# Altium PCB 400708.PcbDoc (part 2 of 4) (continued)
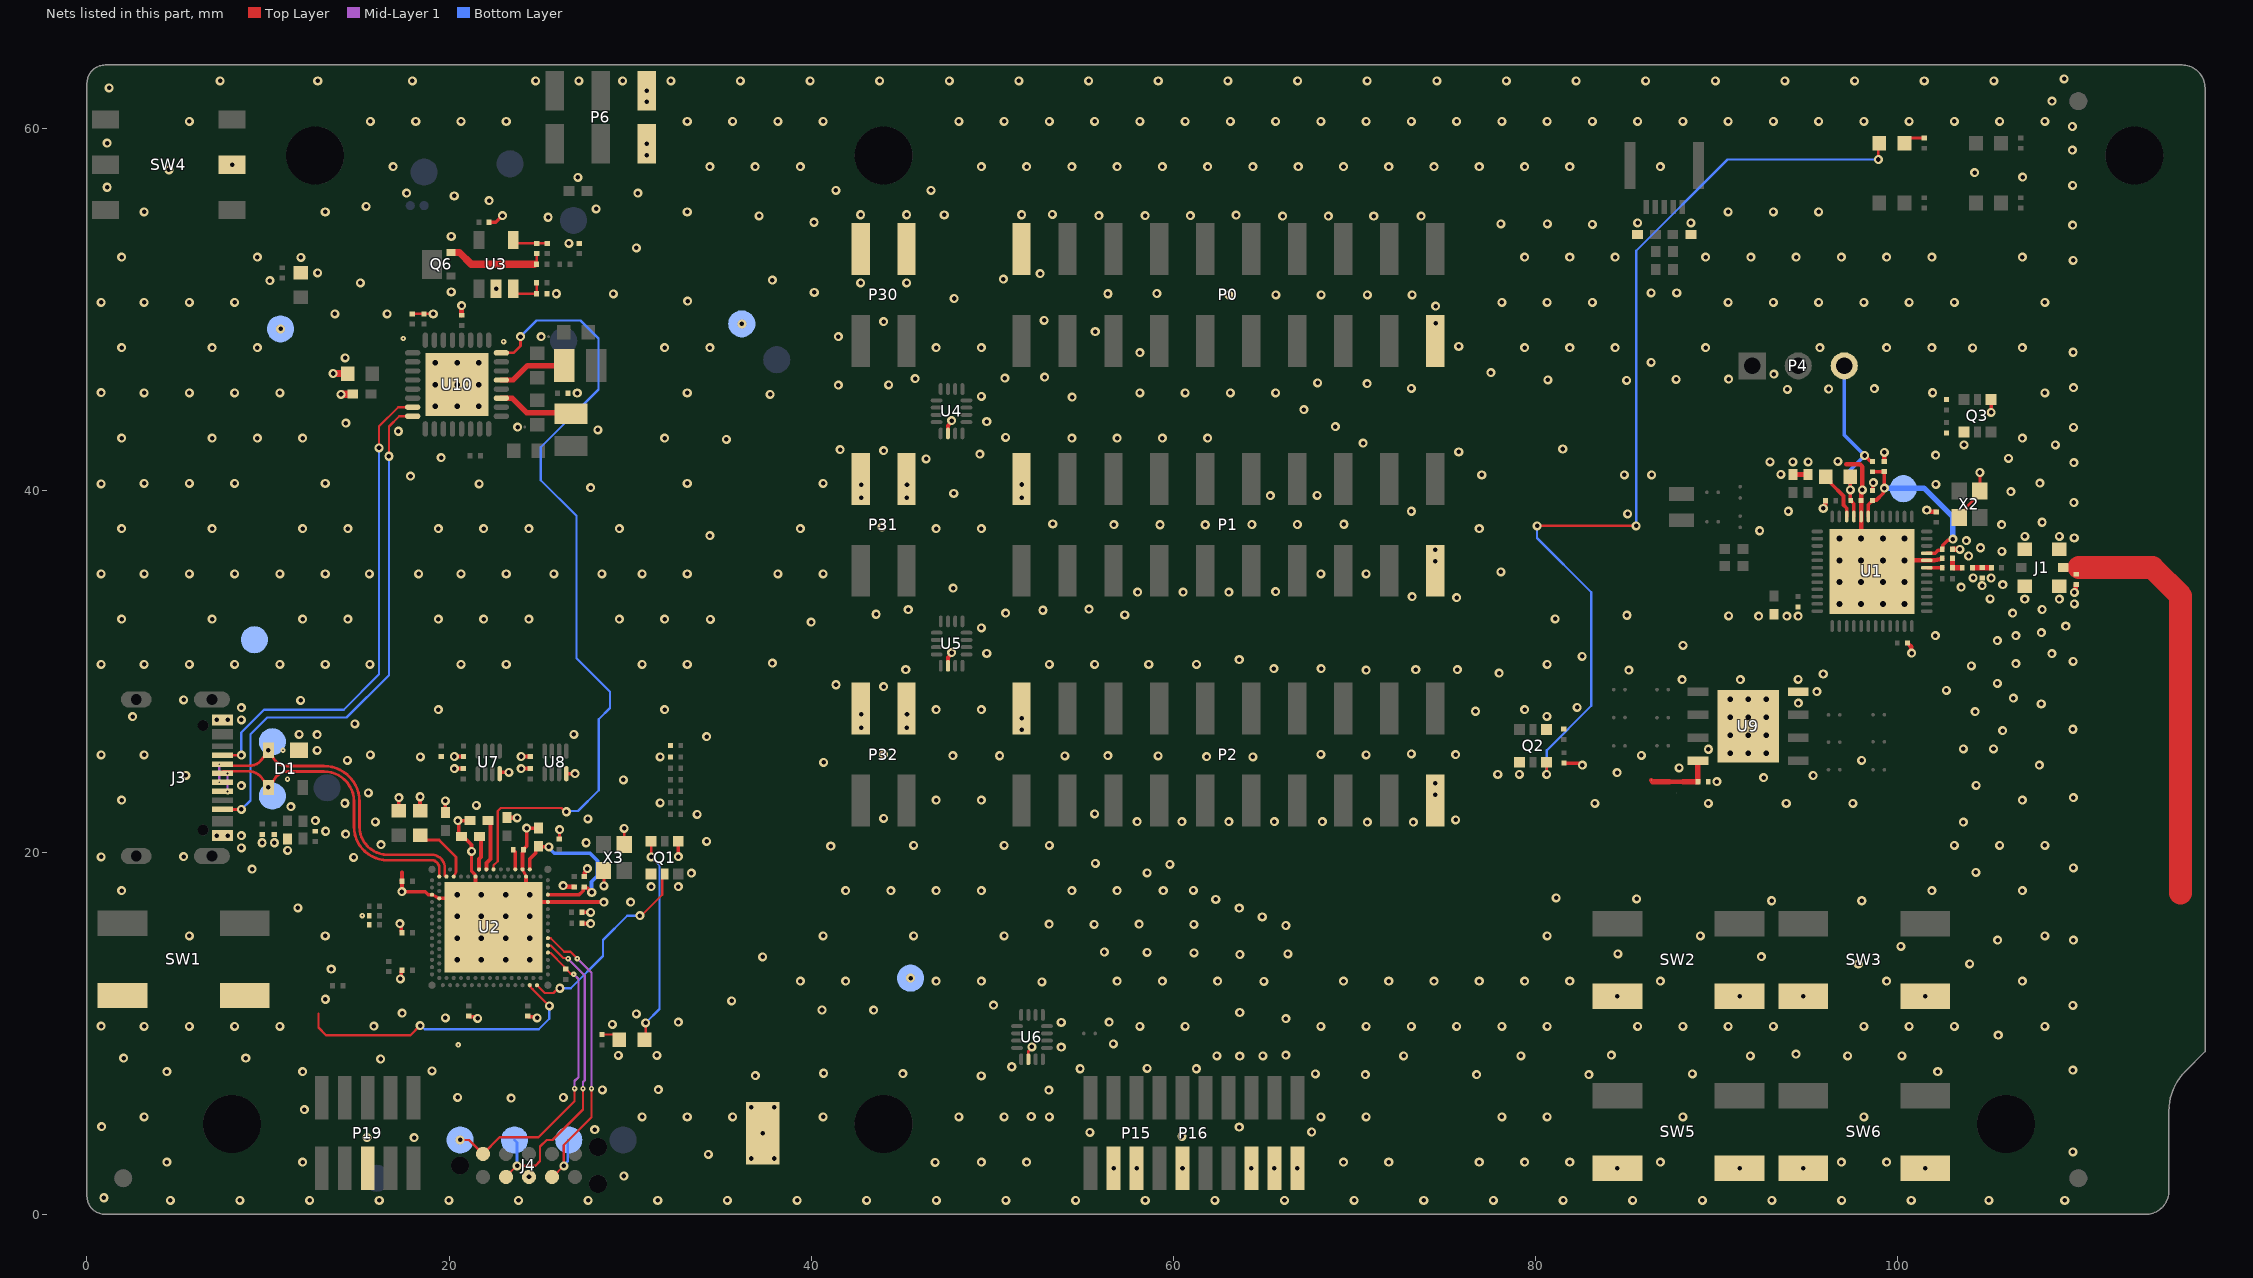
[diagram p4: the nets of this part, all layers, seen from the top]
## Part data (continued)
SB1 SB8 SB10: Manufacturer=N.A., Part number NEMS=100500458, Artikkelnr Noca=N.A., Author=rsk, Component Class=Connectors, Component Status=Active, ComponentLink1Description=Datasheet, ComponentLink1URL=N.A., ComponentLink2Description="Supplier link", ComponentLink2URL=N.A., Footprint Doc=Solderbridge, HelpURL=N.A., LatestRevisionDate=2009-12-14, Manufacturer Part Number=N.A., Note=N.A., Pad Count=2, Part Number=Solderbridge, Part number IPS=N.A., Part number Norautron=N.A., PartId=100500458, Published=2009-12-14, Supplier 1=N.A., Supplier 2=N.A., Supplier Part Number 1=N.A., Supplier Part Number 2=N.A., System=Connector
SB2 SB9: library part "Solderbridge Shorted", "Shorted Solderbridge", Manufacturer=N.A., Part number NEMS=100500459, Artikkelnr Noca=N.A., Author=rsk, Component Class=Connectors, Component Status=Active, ComponentLink1Description=Datasheet, ComponentLink1URL=N.A., ComponentLink2Description="Supplier link", ComponentLink2URL=N.A., Footprint Doc=Solderbridge_Shorted, HelpURL=N.A., LatestRevisionDate=2012-08-07, Manufacturer Part Number=N.A., Note=N.A., Pad Count=2, Part Number="Solderbridge Shorted", Part number IPS=N.A., Part number Norautron=N.A., PartId=100500459, Published=2012-08-07, Supplier 1=N.A., Supplier 2=N.A., Supplier Part Number 1=N.A., Supplier Part Number 2=N.A., System=Connector
SB3 SB4 SB11 SB12 SB13 SB14 SB15 SB16 SB24: library part "Solderbridge Shorted 0.4mm", "Shorted Solderbridge", Manufacturer=N.A., Part number NEMS=100500561, Artikkelnr Noca=N.A., Author=rsk, Component Class=Connectors, Component Status=Active, ComponentLink1Description=Datasheet, ComponentLink1URL=N.A., ComponentLink2Description="Supplier link", ComponentLink2URL=N.A., Footprint Doc=Solderbridge_Shorted, HelpURL=N.A., LatestRevisionDate=2012-08-07, Manufacturer Part Number=N.A., Note=N.A., Pad Count=2, Part Number="Solderbridge Shorted 0.4mm", Part number IPS=N.A., Part number Norautron=N.A., PartId=100500561, Published=2012-08-07, Supplier 1=N.A., Supplier 2=N.A., Supplier Part Number 1=N.A., Supplier Part Number 2=N.A., System=Connector
SB5 SB6 SB17 SB18 SB19 SB20 SB21 SB22: library part "Solderbridge 0.4mm", Manufacturer=N.A., Part number NEMS=100500560, Artikkelnr Noca=N.A., Author=rsk, Component Class=Connectors, Component Status=Active, ComponentLink1Description=Datasheet, ComponentLink1URL=N.A., ComponentLink2Description="Supplier link", ComponentLink2URL=N.A., Footprint Doc=Solderbridge, HelpURL=N.A., LatestRevisionDate=2009-12-14, Manufacturer Part Number=N.A., Note=N.A., Pad Count=2, Part Number="Solderbridge 0.4mm", Part number IPS=N.A., Part number Norautron=N.A., PartId=100500560, Published=2009-12-14, Supplier 1=N.A., Supplier 2=N.A., Supplier Part Number 1=N.A., Supplier Part Number 2=N.A., System=Connector
SW1 SW2 SW3 SW5 SW6: library part Switch-PB-6.2x6.3mm-SMD, "Tactile Switch, SPNO, SMD, 160gf, 6.2x6.3x2.5mm", Manufacturer=Dailywell, Manufacturer Part Number=TS604VM1-025BR-R, Part number IPS=00000007812, Part number NEMS="101500001, 101500133", Part number Norautron=N.A., Artikkelnr Noca=50019106, Author=rsk, Component Class=Switches, Component Status=Active, ComponentLink1Description=Datasheet, ComponentLink1URL=N.A., ComponentLink2Description="Supplier link", ComponentLink2URL=N.A., Footprint Doc=Switch-PB-6.2x6.3mm-SMD, HelpURL=\\hizz\pro\app9717\Datasheet\switches\Dailywell\TS604VM1-025BR-R.pdf, LatestRevisionDate=2016-04-21, Note=N.A., Pad Count=4, Part Number=Switch-PB-6.2x6.3mm-SMD, PartId=101500001, Published=2010-02-01, Supplier 1=Cabcon, Supplier 2=Mouser, Supplier Part Number 1=TS604VM1-025BR-R, Supplier Part Number 2=688-SKHUALE010
SW4: "Slide Switch DPDT", Manufacturer="HUA-JIE CORP.", Part number IPS=N.A., Part number NEMS=101500131, Artikkelnr Noca=N.A., Author=rsk, Component Class=Switches, Component Status=Active, ComponentLink1Description=Datasheet, ComponentLink1URL=N.A., ComponentLink2Description="Supplier link", ComponentLink2URL=N.A., Footprint Doc=MK-22D14-G2, HelpURL=N.A., LatestRevisionDate=2020-10-06, Manufacturer Part Number=MK-22D14-G2, Note=N.A., Pad Count=6, Part Number=MK-22D14-G2, Part number Norautron=N.A., PartId=101500131, Published=2020-12-01, Supplier 1=Cabcon, Supplier 2=N.A., Supplier Part Number 1=MK-22D14-G2, Supplier Part Number 2=N.A.
TP1 TP2 TP3 TP4 TP5 TP6 TP7 TP8 TP9 TP10 TP11 TP12 TP13 TP14 TP15 TP16 TP17 TP18: library part TP_SMD_Ø1.5MM, "1.5mm circular SMD testpad", Manufacturer="Nordic Semiconductor", Manufacturer Part Number=N.A., Part number NEMS=100500477, Artikkelnr Noca=N.A., Author=rsk, Component Class=Connectors, Component Status=Active, ComponentLink1Description=Datasheet, ComponentLink1URL=N.A., ComponentLink2Description="Supplier link", ComponentLink2URL=N.A., Footprint Doc=TP_SMD_Ø1.5mm, HelpURL=N.A., LatestRevisionDate=2021-03-05, Note=N.A., Pad Count=1, Part Number=TP_SMD_Ø1.5MM, Part number IPS=N.A., Part number Norautron=N.A., PartId=100500477, Published=2016-06-02, Supplier 1=N.A., Supplier 2=N.A., Supplier Part Number 1=N.A., Supplier Part Number 2=N.A.
TP22: library part "TP - S1751-46R", "PC TEST POINT TIN SMD L", Manufacturer=Harwin, Manufacturer Part Number=S1751-46R, Part number IPS=N.A., Part number NEMS=100500525, Supplier Part Number 1=952-1478-1-ND, Artikkelnr Noca=N.A., Author=rsk, Component Class=Connectors, Component Status=Active, ComponentLink1Description=Datasheet, ComponentLink1URL=N.A., ComponentLink2Description="Supplier link", ComponentLink2URL=N.A., Footprint Doc="Harwin S1751-46R", HelpURL=http://cdn.harwin.com/pdfs/S1751.pdf, LatestRevisionDate=2015-05-29, Note=N.A., Pad Count=1, Part Number="TP - S1751-46R", Part number Norautron=N.A., PartId=100500525, Published=2015-05-29, Supplier 1=Digi-Key, Supplier 2=N.A., Supplier Part Number 2=N.A.
U1: "Multi-protocol Bluetooth Low Energy, IEEE 802.15.4, ANT and 2.4GHz proprietary system-on-chip", Manufacturer="Nordic Semiconductor", Part number IPS=N.A., Artikkelnr Noca=N.A., Author=stl1, Component Class=Nordic_Devices, Component Status=Active, ComponentLink1Description=Datasheet, ComponentLink1URL=N.A., ComponentLink2Description="Supplier link", ComponentLink2URL=N.A., Footprint Doc=QFN-48, HelpURL=N.A., LatestRevisionDate=2024-06-19, Manufacturer Part Number=nRF54L15-QFAABB0, Note=N.A., Pad Count=49, Part Number=nRF54L15-QFAABB0, Part number Norautron=N.A., PartId=102000348, Published=2024-06-19, Supplier 1="Nordic Semiconductor", Supplier 2=N.A., Supplier Part Number 1=nRF54L15-QFAABB0, Supplier Part Number 2=N.A.
U2: library part nRF5340-QKAAD0, "Multi-protocol Bluetooth Low Energy, IEEE 802.15.4, ANT and 2.4GHz proprietary system-on-chip", Manufacturer="Nordic Semiconductor", Part number IPS=N.A., Part number NEMS=102000216, Part number Norautron=NOD26470035, Artikkelnr Noca=N.A., Author=rsk, Component Class=Nordic_Devices, Component Status=Active, ComponentLink1Description=Datasheet, ComponentLink1URL=N.A., ComponentLink2Description="Supplier link", ComponentLink2URL=N.A., Footprint Doc=AQFN-98, HelpURL=N.A., LatestRevisionDate=2020-12-02, Manufacturer Part Number=nRF5340-QKAAD0, Note=N.A., Pad Count=98, Part Number=nRF5340-QKAAD0, PartId=102000216, Published=2020-12-02, Supplier 1="Nordic Semiconductor", Supplier 2=N.A., Supplier Part Number 1=nRF5340-QKAAD0, Supplier Part Number 2=N.A.
U3: library part TLV271CW5-7, "Dual rail to rail CMOS Amplifier", Manufacturer="Diodes Incorporated", Part number IPS=N.A., Part number NEMS=101900398, Supplier Part Number 1=TLV271CW5-7DICT-ND, Artikkelnr Noca=N.A., Author=rsk, Component Class=Misc_ICs, Component Status=Active, ComponentLink1Description=Datasheet, ComponentLink1URL=N.A., ComponentLink2Description="Supplier link", ComponentLink2URL=N.A., Footprint Doc=SOT-25, HelpURL=http://www.diodes.com/_files/datasheets/TLV27x.pdf, LatestRevisionDate=2016-04-05, Manufacturer Part Number=TLV271CW5-7, Note=N.A., Pad Count=5, Part Number=TLV271CW5-7, Part number Norautron=N.A., PartId=101900398, Published=2016-04-05, Supplier 1=Digi-Key, Supplier 2=N.A., Supplier Part Number 2=N.A.
U4 U5 U6: "Data / Audio Low-Voltage Dual DPDT Analog Switch", Manufacturer="ON Semiconductor", Part number IPS=00000009986, Part number NEMS=101900422, Part number Norautron=26500608, Supplier Part Number 1=FSA2466UMXCT-ND, Artikkelnr Noca=15070069, Author=rsk, Component Class=Misc_ICs, Component Status=Active, ComponentLink1Description=Datasheet, ComponentLink1URL=N.A., ComponentLink2Description="Supplier link", ComponentLink2URL=N.A., Footprint Doc=UFQFN-16, HelpURL=https://www.onsemi.com/pub/Collateral/FSA2466-D.PDF, LatestRevisionDate=2019-05-15, Manufacturer Part Number=FSA2466UMX, Note=N.A., Pad Count=16, Part Number=FSA2466UMX, PartId=101900422, Published=2016-05-18, Supplier 1=Digi-Key, Supplier 2=Mouser, Supplier Part Number 2=512-FSA2466UMX
U7 U8: library part TXB0302DQMR, "2-bit bidirectional voltage-level translator with automatic direction sensing", Manufacturer="Texas Instruments", Part number IPS=N.A., Part number NEMS=101900198, Supplier Part Number 1=296-36871-1-ND, Artikkelnr Noca=N.A., Author=rsk, Component Class=Misc_ICs, Component Status=Active, ComponentLink1Description=Datasheet, ComponentLink1URL=N.A., ComponentLink2Description="Supplier link", ComponentLink2URL=N.A., Footprint Doc=XFDFN-8, HelpURL=http://www.ti.com/lit/ds/symlink/txb0302.pdf, LatestRevisionDate=2014-01-22, Manufacturer Part Number=TXB0302DQMR, Note="Fully Symmetric Supply Voltages", Pad Count=8, Part Number=TXB0302DQMR, Part number Norautron=N.A., PartId=101900198, Published=2014-01-22, Supplier 1=Digi-Key, Supplier 2=Mouser, Supplier Part Number 2=595-TXB0302DQMR
U9: library part MX25R6435FZNIL0, "Ultra low power, 64M-bit, serial multi I/O flash memory", Manufacturer=Macronix, Part number IPS=00000004370, Part number NEMS=101900438, Part number Norautron=N.A., Artikkelnr Noca=15020015, Author=rsk, Component Class=Misc_ICs, Component Status=Active, ComponentLink1Description=Datasheet, ComponentLink1URL=N.A., ComponentLink2Description="Supplier link", ComponentLink2URL=N.A., Footprint Doc=WSON-8, HelpURL=https://www.macronix.com/Lists/Datasheet/Attachments/7913/MX25R6435F,%20Wide%20Range,%2064Mb,%20v1.5.pdf, LatestRevisionDate=2021-02-26, Manufacturer Part Number=MX25R6435FZNIL0, Note=N.A., Pad Count=8, Part Number=MX25R6435FZNIL0, PartId=101900438, Published=2016-06-29, Supplier 1=Future, Supplier 2=Arrow, Supplier Part Number 1=MX25R6435FZNIL0, Supplier Part Number 2=MX25R6435FZNIL0
U10: "Li-Ion/Li-Polymer USB-C battery charger with high efficiency buck regulators, LDOs or load switches, LED drivers, TWI and VBUSOUT", Manufacturer="Nordic Semiconductor", Part number IPS=N.A., Part number NEMS=102000306, Artikkelnr Noca=N.A., Author=eisk, Component Class=Nordic_Devices, Component Status=Active, ComponentLink1Description=Datasheet, ComponentLink1URL=N.A., ComponentLink2Description="Supplier link", ComponentLink2URL=N.A., Footprint Doc=QFN-32, HelpURL=N.A., LatestRevisionDate=2023-08-16, Manufacturer Part Number=nPM1300-QEAAC0, Note="Production version", Pad Count=33, Part Number=nPM1300-QEAAC0, Part number Norautron=N.A., PartId=102000306, Published=2023-08-16, Supplier 1="Nordic Semiconductor", Supplier 2=N.A., Supplier Part Number 1=nPM1300-QEAAC0, Supplier Part Number 2=N.A.
X1: library part XTAL_SMD2012_32.768kHz_9pF_TXC, "XTAL SMD 2012, 32.768kHz, 9pF, ±20ppm", Manufacturer="TXC Corporation", Manufacturer Part Number=9HT11-32.768KDZC-T, Part number IPS=N.A., Part number NEMS=101600107, Supplier Part Number 1=887-1426-2-ND, Artikkelnr Noca=N.A., Author=eisk, Component Class=Oscillators, Component Status=Active, ComponentLink1Description=Datasheet, ComponentLink1URL=http://www.txccrystal.com/images/pdf/9ht11.pdf, ComponentLink2Description="Supplier link", ComponentLink2URL=https://www.digikey.com/en/products/detail/9HT11-32.768KDZC-T/887-1426-1-ND/2403277, Footprint Doc=XTAL_2012, HelpURL=http://www.txccrystal.com/images/pdf/9ht11.pdf, LatestRevisionDate=2023-03-14, Note="XTAL SMD 32.768kHz", Pad Count=2, Part Number=XTAL_SMD2012_32.768kHz_9pF_TXC, Part number Norautron=N.A., PartId=101600107, Published=2014-03-28, Supplier 1=Digi-Key, Supplier 2=Mouser, Supplier Part Number 2=717-9HT11-32.7KDZC-T
X2 X3: library part XTAL_SMD2016_32MHz_8pF_Golledge, "XTAL SMD 2016, 32MHz, Cl=8pF, Tol: ±10ppm, Stab: ±15ppm", Manufacturer=Golledge, Manufacturer Part Number=MP06003, Part number IPS=00000001431, Part number NEMS=101600041, Part number Norautron=N.A., Artikkelnr Noca=22010050, Author=rsk, Component Class=Oscillators, Component Status=Active, ComponentLink1Description=Datasheet, ComponentLink1URL=N.A., ComponentLink2Description="Supplier link", ComponentLink2URL=N.A., Footprint Doc=XTAL_2016, HelpURL=\\hizz\pro\app9717\Datasheet\crystals\Golledge\mp06003.pdf, LatestRevisionDate=2016-11-02, Note="XTAL SMD 32.000MHz", Pad Count=4, Part Number=XTAL_SMD2016_32MHz_8pF_Golledge, PartId=101600041, Published=2016-11-02, Supplier 1="Link Nordic", Supplier 2=N.A., Supplier Part Number 1=N.A., Supplier Part Number 2=N.A.

## Free pads (board coordinates)
  round 3.2 hole 3.2 unplated: 1(8.004,5) 1(12.604,58.5) 1(44.004,5) 1(44.004,58.5) 1(106.004,5) 1(113.104,58.5)

## Via types
v1: diameter 0.5, hole 0.25, Top Layer to Bottom Layer, tented both sides, 1132 vias
v2: diameter 0.3, hole 0.1, Top Layer to Mid-Layer 1, tented top, 61 vias
v3: diameter 0.61, hole 0.305, Top Layer to Bottom Layer, tented both sides, 37 vias
v4: diameter 0.66, hole 0.33, Top Layer to Bottom Layer, tented both sides, 16 vias
v5: diameter 0.3, hole 0.1, Top Layer to Mid-Layer 1, tented both sides, 9 vias

## Nets (pads, with @x,y where several pads share a name; then routed paths per layer and width w, separated by ;. In a path a pad name is that pad's centre, name@x,y a point inside that pad or via, vN(x,y) a via of type N, cw(c..) or ccw(c..) an arc to the next point about the centre after c; other vN are vias at no path point)
ANT: C40.2 J1.3 | length 22.7
  Top Layer w1.27: 110.033,35.73 114.1,35.73 115.66,34.171 115.66,17.748
DBGR_BUTTON: SB2.2 U2.AL27 | length 16.5
  Top Layer w0.125: SB2.2@12.788,11.089 12.788,10.325 13.207,9.906 17.872,9.906 v1(18.4,10.434) ; U2.AL27@24.46,12.664 24.46,12.637 24.51,12.587 24.51,12.555 24.631,12.434 24.631,12.427 v1(25.54,11.518)
  Top Layer w0.15: U2.AL27@24.46,12.622 U2.AL27@24.46,12.637
  Bottom Layer w0.125: v1(18.4,10.434) 18.456,10.434 18.661,10.229 24.956,10.229 25.54,10.813 v1(25.54,11.518)
DBGR_LED: Q1.2 U2.AL29 | length 11.1
  Top Layer w0.125: U2.AL29@24.86,12.664 25.285,12.24 25.767,12.24 26.023,12.496 v1(26.124,12.496) ; v1(30.539,16.505) 30.617,16.505 31.777,17.665 31.777,18.677 Q1.2@31.915,18.815
  Bottom Layer w0.125: v1(26.124,12.496) 26.719,12.496 28.5,14.278 28.5,15.163 29.842,16.505 v1(30.539,16.505)
DBGR_N: D1.2 J3.A7 J3.B7 TP17.1 U2.B4 | length 18.5
  Top Layer w0.153: J3.B7@7.464,24.875 ccw(c7.554,24.875) 7.554,24.785 8.972,24.785 ccw(c8.972,25.634) 9.605,25.069 9.799,25.286 D1.2@10.022,25.634 D1.2@10.246,25.312 ; D1.2@10.249,25.305 ccw(c11.039,25.634) 11.039,24.778 13.084,24.778 cw(c13.084,22.81) 15.053,22.81 15.053,21.422 ccw(c16.6,21.422) 16.6,19.875 17.606,19.875 19.033,19.875 cw(c19.033,19.138) 19.77,19.138 19.77,18.755 ccw(c19.86,18.755) U2.B4@19.86,18.664
  Mid-Layer 1 w0.127: v2(7.304,23.872) v2(7.304,24.875)
  other v1: 10.023,25.641
DBGR_P: D1.3 J3.A6 J3.B6 TP18.1 U2.B2 | length 18
  Top Layer w0.153: J3.A6@7.464,24.375 cw(c7.572,24.375) 7.572,24.482 8.93,24.482 cw(c8.93,23.584) 9.635,24.14 9.799,23.933 10.019,23.589 D1.3@10.022,23.584 10.026,23.589 10.246,23.879 ccw(c10.159,24.005) 10.299,23.943 cw(c11.114,23.584) 11.114,24.475 13.084,24.475 cw(c13.084,22.81) 14.75,22.81 14.75,21.422 ccw(c16.6,21.422) 16.6,19.572 17.606,19.572 19.033,19.572 cw(c19.033,19.138) 19.467,19.138 19.467,18.664 U2.B2@19.46,18.664
  Mid-Layer 1 w0.127: v2(7.767,23.362) v2(7.767,24.365)
  other v1: 10.023,23.591
DBGR_RESET: J4.10 R6.1 TP4.1 U2.AC31 | length 17
  Top Layer w0.125: v1(20.616,4.115) 21.107,4.115 J4.10@21.878,3.344 22.795,4.261 24.943,4.261 26.934,6.253 v5(26.934,6.955) ; U2.AC31@25.46,14.464 25.479,14.445 25.616,14.445 26.372,13.689 26.372,13.628 26.445,13.556 R6.1@26.46,13.556 26.475,13.556 26.726,13.304 26.857,13.304 v2(26.89,13.271)
  Mid-Layer 1 w0.125: v2(26.89,13.271) 27.15,13.011 27.15,7.583 26.934,7.368 v5(26.934,6.955)
DBGR_SWDCLK: J4.4 TP6.1 U2.W31 | length 16.9
  Top Layer w0.125: U2.W31@25.46,15.264 25.471,15.254 25.624,15.254 26.363,14.515 26.71,14.515 27.087,14.139 v2(27.087,14.134) ; J4.4@25.688,2.074 25.724,2.074 v1(26.34,2.69) 26.34,3.836 27.873,5.369 v5(27.873,6.955)
  Mid-Layer 1 w0.125: v2(27.087,14.134) 27.873,13.348 v5(27.873,6.955)
  Bottom Layer w0.15: v1(26.34,2.69) 26.34,2.729 26.564,2.953 26.564,4.062 TP6.1@26.616,4.115
DBGR_SWDIO: J4.2 TP5.1 U2.AA31 | length 17.9
  Top Layer w0.125: J4.2@23.148,2.074 23.148,2.099 23.74,2.69 v1(23.759,2.69) 24.771,2.69 25.032,2.95 25.032,3.75 25.396,4.115 25.719,4.115 27.401,5.796 v5(27.401,6.95) ; U2.AA31@25.46,14.864 25.471,14.854 25.624,14.854 26.312,14.166 26.547,14.166 v2(26.579,14.134)
  Mid-Layer 1 w0.125: v2(26.579,14.134) 26.579,14.13 27.504,13.205 27.504,7.414 27.401,7.311 v5(27.401,6.95)
  Bottom Layer w0.15: TP5.1@23.616,4.115 23.759,3.972 v1(23.759,2.69)
DCC: L1.2 U1.46 | length 2.7
  Top Layer w0.2: L1.2@96.053,40.809 96.328,40.534 96.328,40.396 97.033,39.691 97.033,39.186 97.205,39.014 U1.46@97.205,38.555
DECD: C1.2 FB1.1 L1.1 P4.3 U1.45 | length 10.6
  Top Layer w0.2: L1.1@97.414,40.798 v1(97.414,40.022) 97.414,39.46 C1.2@97.435,39.439 97.435,39.424 97.47,39.389 97.485,39.389 97.605,39.269 97.605,38.78 U1.45@97.605,38.555 ; v1(98.201,41.927) 98.491,41.637 FB1.1@98.649,41.637
  Bottom Layer w0.2: P4.3@97.075,46.88 97.075,43.053 v1(98.201,41.927) 97.414,41.139 v1(97.414,40.022)
DECRF: C2.2 C5.2 C12.1 FB1.2 TP2.1 U1.33 U1.43 | length 11.2
  Top Layer w0.2: U1.43@98.405,38.555 98.405,39.204 C12.1@98.633,39.432 98.668,39.467 98.856,39.467 99.236,39.847 99.236,40.066 v1(99.294,40.123) C2.2@99.294,41.032 FB1.2@98.633,41.032 ; U1.33@101.63,36.53 102.093,36.53 102.257,36.694 102.336,36.694 102.438,36.695 C5.2@102.488,36.745 102.523,36.78 102.523,36.975 102.795,37.246 103.021,37.246 v1(103.078,37.304)
  Bottom Layer w0.15: TP2.1@100.252,40.123 TP2.1@100.273,40.144
  Bottom Layer w0.3: v1(99.294,40.123) 101.478,40.123 103.078,38.523 v1(103.078,37.304)
GND: C1.1 C2.1 C3.1 C4.2 C5.1 C6.1 C7.2 C8.2 C9.1 C10.1 C11.2 C12.2 C13.2 C14.2 C15.1 C16.2 C17.2 C18.2 C19.1 C20.2 C21.2 C22.2 C23.1 C26.1 C29.2 C30.2 C31.2 C32.1 C33.2 C34.2 C35.2 C36.2 C37.2 C38.1 C39.1 C40.1 C41.1 C42.2 C43.2 C44.2 C45.1 C46.1 C47.1 C48.1 C49.2 C50.2 C52.2 C53.1 C54.2 C55.2 C56.1 D1.1 J1.2 J3.A1 J3.A12 J4.3 NT2.1 NT3.1 P0.2 P0.19 P1.2 P1.19 P2.2 P2.19 P6.1 P15.3 P15.5 P15.9 P16.3 P16.5 P16.9 P16.15 P16.17 P16.19 P19.5 P30.2 P30.4 P31.2 P31.4 P32.2 P32.4 Q1.1 Q1.4 Q2.1 Q2.4 Q3.1 Q3.4 R7.2 R10.2 R11.2 R12.2 R18.1 R25.2 R26.2 R27.2 R30.1 R55.2 R56.2 SW1.1 SW2.1 SW3.1 SW4.5 SW5.1 SW6.1 TP12.1 TP13.1 TP14.1 TP15.1 TP22.1 U1.32 U1.44 U1.49 U2.104 U2.A25 U2.B12 U2.B26 U2.G1 U2.H2 U2.J31 U3.2 U4.6 U5.6 U6.6 U7.4 U8.4 U9.4 U9.9 U10.33 X2.2 X2.4 X3.2 X3.4 | length 57.6
  Top Layer w0.15: R26.2@17.981,49.761 18.619,49.761 18.627,49.753 v1(19.128,49.753) ; C37.2@26.096,20.744 26.103,20.751 26.103,21.258 v1(26.11,21.265) ; X3.4@28.534,18.99 28.56,18.965 v1(28.56,18.147) ; X3.2@29.677,20.448 v1(29.677,21.323) ; U6.6@52.004,8.575 52.004,9.001 52.201,9.197 v1(52.201,9.264) ; X2.4@103.418,38.509 103.768,38.859 103.768,39.026 104.218,39.476 104.218,39.609 X2.2@104.568,39.959 ; X2.2@104.568,39.934 X2.2@104.568,39.959 ; v1(104.568,40.987) X2.2@104.568,39.959
  Top Layer w0.165: U2.A25@24.06,19.064 U2.B26@24.26,18.664
  Top Layer w0.187: U2.G1@19.06,17.664 U2.H2@19.46,17.464 U2.104@20.16,17.464 ; v1(21.245,20.052) 21.245,18.96 21.453,18.752 21.453,18.672 U2.B12@21.46,18.664
  Top Layer w0.188: v1(17.394,17.834) 18.688,17.834 18.85,17.672 19.053,17.672 U2.G1@19.06,17.664
  Top Layer w0.2: C42.2@17.231,22.302 v1(17.231,23.024) ; v1(17.282,16.065) 17.282,15.983 17.369,15.897 17.369,15.608 C18.2@17.404,15.573 ; v1(17.308,13.017) 17.365,13.074 17.365,13.436 C20.2@17.428,13.499 ; C13.2@17.369,18.436 C13.2@17.404,18.401 ; v1(17.394,17.834) 17.404,17.844 C13.2@17.404,18.401 ; 17.404,18.899 C13.2@17.404,18.401 ; C43.2@18.4,22.302 v1(18.4,23.075) ; C38.1@19.797,22.203 v1(19.797,22.846) ; v1(20.298,24.634) C53.1@20.798,24.634 ; v1(20.298,25.299) C14.2@20.798,25.3 ; v1(20.488,21.756) v1@20.508,21.756 ; C45.1@20.694,20.891 20.679,20.891 20.529,21.041 20.529,21.735 v1@20.508,21.756 ; C45.1@20.719,20.916 20.894,20.741 20.932,20.741 21.243,20.429 21.243,20.054 v1(21.245,20.052) ; C22.2@21.092,10.954 21.127,10.919 21.407,10.919 21.494,10.832 v1(21.575,10.832) ; C39.1@21.262,21.756 v1@20.508,21.756 ; C49.2@22.219,54.811 22.588,54.811 v1(22.955,55.178) ; U7.4@22.795,24.349 22.795,24.398 22.818,24.421 v1(23.308,24.421) ; v1@23.981,24.634 C15.1@24.481,24.634 ; v1(23.981,25.299) C16.2@24.481,25.3 ; U2.A25@24.06,19.064 24.06,19.987 24.085,20.012 24.085,20.134 24.285,20.334 v1(24.285,21.34) C32.1@24.953,21.34 ; C34.2@24.343,10.954 24.378,10.919 24.728,10.919 24.788,10.858 v1(24.87,10.858) ; U8.4@26.478,24.349 v1(26.96,24.349) ; v1(32.665,19.764) Q1.4@32.665,20.615 ; U5.6@47.564,30.311 47.564,30.765 47.76,30.961 v1(47.76,31.042) ; U4.6@47.564,43.125 47.564,43.579 47.76,43.775 v1(47.76,43.856) ; R12.2@81.607,24.936 82.412,24.936 82.523,24.825 v1(82.604,24.825) ; C12.2@98.633,40.002 98.659,40.027 98.659,40.403 v1(98.684,40.428) ; v1(105.185,44.314) Q3.1@105.185,45.03
  Top Layer w0.203: R7.2@27.345,16.687 v1(27.823,16.687) ; C35.2@27.353,16.078 27.36,16.071 27.816,16.071 v1(27.823,16.064)
  Top Layer w0.225: U2.104@21.46,17.264 U2.B12@21.46,18.664 ; C31.2@23.15,21.905 C31.2@23.16,21.915 ; C31.2@23.211,21.915 23.751,21.915 v1(23.759,21.907) ; U2.104@23.86,17.264 U2.104@24.26,17.264 ; U2.B26@24.26,18.664 U2.104@24.26,17.264 ; C33.2@27.459,18.661 27.474,18.661 27.496,18.683 27.496,18.879 27.644,19.027 v1(27.644,19.101) ; v1@28.56,17.264 U2.104@24.26,17.264
  Top Layer w0.25: v1(26.299,18.167) 26.367,18.167 26.433,18.101 26.899,18.101 C36.2@26.909,18.091 ; U9.9@91.766,26.971 91.766,27.261 U9.9@93.341,28.836 ; C3.1@94.239,40.877 C10.1@95.077,40.877 ; v1(95.915,39.006) 95.915,39.073 96.027,39.185 96.027,39.427 C11.2@96.037,39.437 ; 97.195,41.453 97.938,41.453 98.074,41.317 98.074,39.954 98.015,39.895 98.015,39.449 C1.1@98.005,39.439 U1.44@98.005,38.555 v4(98.005,37.33) ; C2.1@99.294,41.602 v1(99.294,42.104) ; U1.49@100.443,36.13 U1.32@101.63,36.13 102.068,36.13 102.48,36.222 C6.1@102.49,36.247 ; C8.2@100.569,31.568 100.569,31.553 100.579,31.543 100.594,31.543 100.77,31.367 100.77,31.027 v1(100.792,31.005) ; v1(101.63,38.904) 101.698,38.904 101.784,38.818 102.154,38.818 C4.2@102.164,38.808 ; v1(109.789,34.36) 109.789,34.427 109.855,34.493 109.855,34.785 109.865,34.795 C40.1@109.88,34.795
  Top Layer w0.254: X3.4@28.531,18.994 X3.4@28.534,18.99 ; X3.2@29.677,20.448 X3.2@29.681,20.444
  Top Layer w0.27: C29.2@20.699,49.671 v1(20.699,50.211) ; C19.1@85.652,54.123 C19.1@85.654,54.124 ; v1@85.654,54.779 v1(85.656,54.781)
  Top Layer w0.3: C5.1@103.072,36.745 v1(103.459,36.745)
  Top Layer w0.4: v1(13.6,46.456) 14.401,46.456 C26.1@14.404,46.459 ; v1(14.032,45.304) 14.037,45.308 14.679,45.308 C23.1@14.684,45.313
  other v1: 4.604,0.78 8.451,0.78 12.298,0.78 16.145,0.78 19.991,0.78 23.838,0.78 27.685,0.78 31.532,0.78 35.379,0.78 39.225,0.78 43.072,0.78 46.919,0.78 50.766,0.78 54.613,0.78 58.459,0.78 62.306,0.78 66.153,0.78 70,0.78 73.847,0.78 77.693,0.78 81.54,0.78 85.387,0.78 89.234,0.78 93.081,0.78 96.927,0.78 100.774,0.78 105.063,0.78 109.254,0.78 0.929,0.925 24.418,2.074 29.658,2.125 56.708,2.553 57.978,2.553 60.518,2.553 64.328,2.55 65.598,2.55 66.868,2.55 84.543,2.561 91.293,2.561 94.804,2.561 101.554,2.561 4.412,2.887 11.912,2.887 46.85,2.875 49.412,2.887 51.912,2.887 69.412,2.887 71.912,2.887 76.912,2.887 79.412,2.887 81.912,2.887 86.912,2.887 96.912,2.887 99.412,2.887 36.708,3.091 37.972,3.091 34.328,3.323 109.704,3.458 15.479,4.246 18.07,4.246 60.489,4.32 37.323,4.494 55.403,4.531 67.649,4.555 28.05,4.693 0.804,4.85 63.655,4.826 3.162,5.387 30.662,5.387 33.162,5.387 35.662,5.387 40.662,5.387 48.162,5.387 50.662,5.387 53.162,5.387 68.162,5.387 70.662,5.387 78.162,5.387 80.662,5.387 88.162,5.387 98.162,5.387 52.163,5.412 12.01,5.79 36.708,5.916 37.973,5.916 23.433,6.425 20.473,6.468 26.323,6.461 28.47,6.882 53.133,6.866 31.565,6.896 36.919,7.667 49.402,7.657 70.616,7.722 76.765,7.728 82.963,7.722 67.856,7.766 88.689,7.766 45.073,7.779 40.698,7.8 4.412,7.887 11.912,7.887 102.24,7.887 19.06,7.937 109.704,7.975 54.861,8.05 61.288,8.05 58.568,8.069 51.086,8.16 16.224,8.588 2.021,8.637 8.771,8.637 62.419,8.756 63.68,8.747 64.959,8.76 72.729,8.76 91.893,8.76 97.257,8.76 100.261,8.76 29.36,8.784 79.213,8.763 31.481,8.79 66.229,8.798 84.205,8.798 94.409,8.855 53.821,9.246 56.704,9.429 105.582,9.906 3.162,10.387 5.662,10.387 8.162,10.387 10.662,10.387 58.162,10.387 60.662,10.387 68.162,10.387 70.662,10.387 73.162,10.387 75.662,10.387 78.162,10.387 80.662,10.387 85.662,10.387 88.162,10.387 90.662,10.387 93.162,10.387 98.162,10.387 100.662,10.387 103.162,10.387 108.162,10.387 0.78,10.4 15.845,10.4 29.021,10.499 53.821,10.614 32.665,10.623 56.465,10.623 66.229,10.825 19.797,10.858 30.354,11.077 17.404,11.125 63.68,11.158 40.604,11.295 43.458,11.287 109.704,11.55 50.078,11.568 35.61,11.793 13.165,11.889 84.543,12.058 91.293,12.058 94.804,12.061 101.554,12.061 52.754,12.851 65.01,12.877 39.412,12.887 41.912,12.887 46.912,12.887 49.412,12.887 56.912,12.887 59.412,12.887 62.456,12.887 69.412,12.887 71.912,12.887 74.412,12.887 76.912,12.887 79.412,12.887 81.912,12.887 86.912,12.887 99.412,12.887 106.912,12.887 45.496,13.056 13.494,13.556 97.848,13.843 104.002,13.843 37.328,14.227 92.496,14.239 63.689,14.361 66.338,14.393 84.575,14.393 61.153,14.453 56.208,14.5 58.568,14.478 100.205,14.806 105.551,15.15 109.729,15.15 5.662,15.387 13.162,15.387 40.662,15.387 45.662,15.387 50.662,15.387 80.662,15.387 89.122,15.387 108.162,15.387 66.229,15.963 55.631,16.021 53.146,16.043 58.128,16.043 61.149,16.027 64.925,16.443 11.655,16.938 63.655,16.924 28.56,17.258 30.037,17.258 93.059,17.33 98.041,17.33 62.354,17.411 85.608,17.437 81.157,17.487 1.912,17.887 41.912,17.887 44.412,17.887 46.912,17.887 49.412,17.887 54.412,17.887 56.912,17.887 59.454,17.889 61.115,17.903 101.913,17.887 106.912,17.887 31.165,18.107 32.665,18.107 33.386,18.858 58.568,18.869 104.351,18.9 9.125,19.072 109.729,19.15 59.819,19.339 55.702,19.396 14.734,19.724 0.78,19.754 5.335,19.769 11.079,20.118 8.529,20.25 41.088,20.346 45.662,20.387 50.662,20.387 53.162,20.387 103.162,20.387 105.662,20.387 108.162,20.387 16.242,20.426 9.679,20.535 10.354,20.535 27.575,20.535 34.225,20.615 7.168,20.921 7.779,20.925 8.529,20.925 14.292,21.012 13.184,21.17 15.936,21.684 70.729,21.675 73.275,21.675 103.66,21.679 58.012,21.7 60.489,21.7 63.077,21.7 65.596,21.7 68.25,21.7 12.612,21.761 75.604,21.8 27.673,21.858 44.004,21.881 33.711,22.098 55.662,22.125 11.264,22.528 21.51,22.598 14.242,22.718 83.304,22.712 89.571,22.712 93.87,22.712 97.547,22.712 31.665,22.737 1.912,22.887 46.912,22.887 49.412,22.887 106.912,22.887 109.729,23.025 74.484,23.177 15.55,23.294 8.527,23.694 104.354,23.708 74.484,23.828 90.041,23.909 29.633,24.006 92.626,24.13 5.467,24.252 95.355,24.249 77.934,24.309 79.134,24.308 84.532,24.406 23.981,24.633 87.951,24.671 107.854,24.825 40.698,24.977 14.384,25.086 98.03,25.08 18.417,25.273 31.665,25.273 61.85,25.291 64.412,25.28 47.839,25.343 50.413,25.339 54.025,25.331 56.4,25.343 59.175,25.331 85.872,25.36 0.78,25.387 3.162,25.387 15.662,25.387 70.662,25.386 44.004,25.4 68.162,25.411 75.604,25.4 73.162,25.441 12.709,25.641 89.571,25.699 103.66,25.715 105.32,25.723 34.232,26.395 12.715,26.506 11.722,26.525 26.899,26.524 105.817,26.731 51.649,26.785 109.71,26.805 42.759,26.888 45.284,26.885 14.804,27.1 7.171,27.325 7.779,27.325 8.529,27.325 51.649,27.41 2.517,27.497 80.643,27.517 42.759,27.622 45.299,27.622 104.299,27.773 76.704,27.8 19.412,27.887 31.912,27.887 46.912,27.887 49.412,27.887 79.412,27.887 8.529,28 82.323,28.009 107.957,28.2 94.536,28.243 11.804,28.4 5.335,28.423 106.422,28.522 95.557,28.881 102.714,28.946 44.004,29.161 41.377,29.263 105.53,29.333 88.123,29.54 91.335,29.54 94.529,29.556 95.915,29.857 78.004,29.9 45.23,30.096 70.662,30.073 85.173,30.073 73.404,30.1 75.704,30.1 65.57,30.15 68.178,30.15 104.094,30.305 0.78,30.387 3.162,30.387 5.662,30.387 8.162,30.387 10.662,30.387 13.162,30.387 15.628,30.387 20.662,30.387 23.162,30.387 30.662,30.387 33.162,30.387 53.162,30.387 55.662,30.387 58.655,30.387 61.292,30.387 80.662,30.387 106.555,30.43 37.86,30.462 109.722,30.556 63.655,30.645 82.599,30.83 108.542,30.981 49.704,31 88.166,31.441 105.53,31.705 102.105,31.98 106.555,31.98 107.96,32.137 49.404,32.4 109.311,32.503 40,32.725 1.912,32.887 6.912,32.887 11.912,32.887 14.412,32.887 19.412,32.887 21.912,32.887 24.412,32.887 29.412,32.887 31.912,32.887 34.434,32.872 81.104,32.9 90.69,33.062 92.34,33.055 93.905,33.055 94.53,33.055 85.068,33.102 57.329,33.125 43.593,33.158 50.748,33.216 106.375,33.22 52.802,33.378 45.369,33.418 108.005,33.42 55.353,33.438 109.788,33.73 105.134,34.006 107.045,33.989 108.955,33.989 75.657,34.081 73.204,34.127 58.043,34.375 60.552,34.375 63.079,34.375 65.657,34.406 47.842,34.598 103.53,34.66 104.687,34.742 105.83,34.795 104.19,35.162 105.184,35.16 0.78,35.387 3.162,35.387 5.662,35.387 8.162,35.387 10.662,35.387 13.162,35.387 15.601,35.387 18.326,35.387 20.662,35.387 23.162,35.387 25.792,35.387 28.449,35.387 30.662,35.387 33.162,35.387 38.162,35.387 40.662,35.387 68.162,35.387 70.662,35.387 78.104,35.5 74.475,36.074 103.95,36.375 105.779,36.63 74.475,36.725 104.601,36.83 103.825,37.225 109.78,37.38 107.055,37.456 108.955,37.456 34.412,37.5 92.399,37.77 1.912,37.887 6.912,37.887 11.912,37.887 14.412,37.887 19.412,37.887 21.912,37.887 24.412,37.887 29.412,37.887 39.412,37.887 46.912,37.887 49.412,37.887 76.912,37.887 43.93,37.974 56.729,38.107 59.275,38.1 61.775,38.1 64.352,38.115 66.864,38.115 105.769,38.11 53.35,38.15 69.429,38.127 108.005,38.238 85.104,38.7 73.162,38.846 93.984,38.846 109.76,39.33 42.759,39.588 45.284,39.585 51.629,39.585 65.374,39.716 67.95,39.721 47.883,39.829 106.277,39.93 98.074,40.022 27.827,40.154 42.759,40.322 45.299,40.322 51.65,40.325 102.135,40.33 0.78,40.355 21.668,40.355 3.162,40.387 5.662,40.387 8.162,40.387 13.162,40.387 33.162,40.387 40.662,40.387 107.885,40.405 17.872,40.783 77.05,40.855 84.929,40.855 86.438,40.855 93.579,40.885 109.76,41.53 92.973,41.571 94.239,41.571 95.077,41.571 96.728,41.596 46.351,41.736 106.148,41.771 19.567,41.808 102.123,41.944 49.32,42.006 75.779,42.131 44.004,42.193 41.604,42.251 81.525,42.286 103.689,42.517 108.736,42.517 70.5,42.615 35.318,42.813 1.912,42.887 6.912,42.887 9.412,42.887 11.912,42.887 31.912,42.887 54.412,42.887 56.912,42.887 59.412,42.887 61.912,42.887 106.912,42.887 50.748,42.931 17.199,43.265 28.22,43.336 109.739,43.48 23.792,43.496 68.959,43.525 14.299,43.718 49.704,43.8 67.225,44.461 54.425,45.15 49.403,45.188 37.736,45.303 3.162,45.387 5.662,45.387 8.162,45.387 10.662,45.387 27.084,45.371 33.162,45.387 58.162,45.387 60.662,45.387 63.162,45.387 65.662,45.387 108.162,45.387 0.78,45.406 101.955,45.394 93.929,45.58 96.213,45.6 73.162,45.634 98.735,45.62 109.739,45.68 41.506,45.81 44.279,45.827 70.719,45.893 67.988,45.938 80.704,46.1 85.049,46.081 87.792,46.13 90.682,46.147 45.75,46.169 50.707,46.201 52.904,46.258 93.186,46.424 77.551,46.507 86.4,47.075 14.259,47.313 58.162,47.615 109.718,47.63 104.17,47.876 1.912,47.887 6.912,47.887 9.412,47.887 31.912,47.887 34.412,47.887 46.912,47.887 49.412,47.887 79.412,47.887 81.912,47.887 84.412,47.887 89.412,47.887 95.732,47.887 99.412,47.887 101.912,47.887 106.912,47.887 75.779,47.949 25.092,48.496 41.506,48.496 55.7,48.775 10.693,48.92 36.174,49.2 74.504,49.225 44.004,49.318 52.875,49.393 13.695,49.752 16.578,49.753 74.5,50.175 0.78,50.384 3.162,50.387 5.662,50.387 8.162,50.387 78.162,50.387 80.662,50.387 83.162,50.387 90.662,50.387 93.162,50.387 95.662,50.387 98.162,50.387 100.662,50.387 103.162,50.387 108.162,50.387 33.175,50.45 47.904,50.6 63.079,50.8 65.679,50.8 68.178,50.8 70.729,50.8 73.204,50.8 29.075,50.85 25.937,50.861 56.4,50.861 59.1,50.875 86.4,50.91 87.821,50.91 40.175,50.936 20.124,50.961 22.599,51.136 15.103,51.461 42.734,51.461 45.274,51.461 10.106,51.591 37.86,51.621 50.619,51.675 52.65,51.975 12.742,52.02 109.713,52.7 11.815,52.876 1.912,52.887 9.412,52.887 79.412,52.887 81.912,52.887 84.412,52.887 89.412,52.887 91.912,52.887 94.412,52.887 96.912,52.887 99.412,52.887 101.912,52.887 106.912,52.887 30.35,53.4 26.625,53.646 20.124,54.029 109.692,54.65 83.162,54.698 78.108,54.72 80.677,54.72 88.604,54.781 40.162,54.811 25.475,55.087 37.125,55.158 66.05,55.152 68.582,55.152 71.082,55.152 73.7,55.152 55.9,55.182 58.45,55.175 60.95,55.175 63.475,55.204 42.734,55.227 45.284,55.227 47.356,55.222 51.629,55.227 53.325,55.25 3.162,55.387 13.162,55.387 33.162,55.387 90.662,55.387 93.162,55.387 95.662,55.387 28.127,55.553 15.421,55.689 22.219,56.002 20.288,56.272 17.663,56.423 30.431,56.423 41.375,56.575 46.625,56.575 1.118,56.744 109.692,56.85 27.117,57.289 106.927,57.303 104.28,57.553 4.529,57.7 16.912,57.887 34.412,57.887 36.912,57.887 39.412,57.887 49.412,57.887 51.912,57.887 54.412,57.887 56.912,57.887 59.412,57.887 61.912,57.887 64.412,57.887 66.912,57.887 69.412,57.887 71.912,57.887 74.412,57.887 76.912,57.887 79.412,57.887 81.912,57.887 86.912,57.887 8.021,57.988 30.917,58.513 109.671,58.8 30.912,59.141 1.118,59.18 109.671,60.1 5.662,60.387 15.662,60.387 18.162,60.387 20.662,60.387 23.162,60.387 33.162,60.387 35.662,60.387 38.162,60.387 40.662,60.387 48.162,60.387 50.662,60.387 53.162,60.387 55.662,60.387 58.162,60.387 60.662,60.387 63.162,60.387 65.662,60.387 68.162,60.387 70.662,60.387 73.162,60.387 75.662,60.387 78.162,60.387 80.662,60.387 83.162,60.387 85.662,60.387 88.162,60.387 90.662,60.387 93.162,60.387 95.662,60.387 98.162,60.387 100.662,60.387 103.162,60.387 105.662,60.387 108.162,60.387 30.917,61.468 108.55,61.5 30.912,62.071 1.219,62.23 7.35,62.625 12.75,62.625 17.975,62.625 24.787,62.625 27.175,62.625 29.595,62.625 32.251,62.625 36.098,62.625 39.945,62.625 43.792,62.625 47.638,62.625 51.485,62.625 55.332,62.625 59.179,62.625 63.026,62.625 66.872,62.625 70.719,62.625 74.566,62.625 78.413,62.625 82.259,62.625 86.106,62.625 89.953,62.625 93.8,62.625 97.647,62.625 101.493,62.625 105.34,62.625 109.222,62.727
  other v2: 20.513,9.367 15.207,16.51 11.079,24.05 10.828,25.649 23.017,48.221 17.474,48.388
  other v3: 20.46,14.064 21.794,14.064 23.127,14.064 24.46,14.064 20.46,15.264 21.794,15.264 23.127,15.264 24.46,15.264 20.46,16.464 21.794,16.464 23.127,16.464 24.46,16.464 20.46,17.664 21.794,17.664 23.127,17.664 24.46,17.664 90.766,25.471 91.766,25.471 92.766,25.471 90.766,26.471 91.766,26.471 92.766,26.471 90.766,27.471 91.766,27.471 92.766,27.471 90.766,28.471 91.766,28.471 92.766,28.471 19.242,44.646 20.442,44.646 21.642,44.646 19.242,45.846 20.442,45.846 21.642,45.846 19.242,47.046 20.442,47.046 21.642,47.046
  other v4: 96.805,33.73 98.005,33.73 99.205,33.73 100.405,33.73 96.805,34.93 98.005,34.93 99.205,34.93 100.405,34.93 96.805,36.13 98.005,36.13 99.205,36.13 100.405,36.13 96.805,37.33 99.205,37.33 100.405,37.33
LED_PWR_CTRL: U2.A17 U10.8 | length 44.5
  Top Layer w0.125: U2.A17@22.46,19.064 22.46,19.287 22.692,19.519 22.692,22.288 22.856,22.451 26.216,22.451 26.42,22.246 v1(26.478,22.246)
  Top Layer w0.15: U10.8@22.892,47.596 23.56,47.596 23.949,47.985 v1(23.949,48.496)
  Bottom Layer w0.125: v1(23.949,48.496) 24.839,49.386 27.262,49.386 28.26,48.389 28.26,45.576 25.072,42.388 25.072,40.564 27.037,38.599 27.037,30.727 28.887,28.876 28.887,27.983 28.267,27.363 28.267,23.431 27.129,22.293 26.525,22.293 v1(26.478,22.246)
NetC6_2: C6.2 L2.2 L3.1 | length 0.9
  Top Layer w0.27: L2.2@103.058,35.743 103.058,36.231 103.06,36.232 C6.2@103.06,36.247
  Top Layer w0.3: L2.2@103.113,35.73 L3.1@103.55,35.73
NetC9_2: C9.2 L3.2 L4.1 | length 1
  Top Layer w0.3: L3.2@104.202,35.73 C9.2@104.688,35.73 L4.1@105.185,35.73
NetC21_1: C21.1 SB9.2 SB10.2 U9.8 | length 3.8
  Top Layer w0.25: SB9.2@86.405,23.985 86.488,23.902 ; 87.407,23.902 88.179,23.902 ; U9.8@88.99,25.06 U9.8@88.996,25.066
  Top Layer w0.3: 86.488,23.902 87.407,23.902 ; 88.179,23.902 C21.1@88.99,23.902 U9.8@88.99,25.06
NetC32_2: C32.2 C33.1 U2.A27 U2.G31 | length 10.1
  Top Layer w0.15: C32.2@24.953,20.385 C32.2@25.032,20.306
  Top Layer w0.2: U2.A27@24.46,19.064 24.46,19.64 24.801,19.98 C32.2@24.801,20.381 ; C32.2@24.803,20.535 24.953,20.385 C32.2@24.953,20.34 ; C32.2@25.032,20.306 v1(25.512,20.306) ; U2.G31@25.46,17.664 27.185,17.664 27.409,17.889 27.409,18.056 27.444,18.091 C33.1@27.459,18.091 27.494,18.056 27.618,18.056 v1@27.884,17.79
  Bottom Layer w0.2: v1(25.512,20.306) 25.512,20.256 25.817,19.951 27.785,19.951 28.204,19.532 28.204,18.706 27.874,18.376 27.874,17.801 v1(27.885,17.79)
NetC39_2: C39.2 U2.A15 | length 2.8
  Top Layer w0.225: U2.A15@22.06,19.064 22.06,19.42 22.286,19.646 22.286,21.619 C39.2@22.151,21.754
NetC43_1: C43.1 U2.B6 | length 3.6
  Top Layer w0.15: C43.1@18.665,20.687 19.454,20.687 20.391,19.75 20.391,18.938 ; U2.B6@20.26,18.664 20.391,18.934
  Top Layer w0.187: C43.1@18.4,20.952 C43.1@18.665,20.687
NetC44_1: C44.1 U2.A23 | length 1.1
  Top Layer w0.2: C44.1@23.55,20.154 23.55,20.139 23.66,20.029 U2.A23@23.66,19.064
NetC45_2: C45.2 U2.A13 | length 1.9
  Top Layer w0.225: U2.A13@21.66,19.064 21.66,19.644 21.77,19.754 C45.2@21.77,20.891
NetC51_1: C51.1 R32.1 U3.4 | length 2
  Top Layer w0.125: U3.4@23.549,53.836 23.739,53.646 C51.1@24.849,53.646 R32.1@25.424,53.646
NetC51_2: C51.2 Q6.2 R31.1 | length 5.3
  Top Layer w0.125: R31.1@24.849,52.595 C51.2@24.849,53.076
  Top Layer w0.4: Q6.2@20.124,53.136 20.574,53.136 21.224,52.486 24.704,52.486
NetC52_1: C52.1 R28.2 U3.3 | length 2.1
  Top Layer w0.125: U3.3@23.549,51.136 U3.3@23.59,51.095
  Top Layer w0.15: U3.3@23.549,51.136 23.549,51.086 23.774,50.861 C52.1@24.849,50.861 ; C52.1@24.839,50.861 R28.2@24.839,51.461
NetJ3_A5: J3.A5 U10.23 | length 27.2
  Top Layer w0.125: v1(16.132,42.343) 16.132,43.537 17.192,44.596 U10.23@17.992,44.596
  Top Layer w0.15: J3.A5@7.464,25.375 v1(8.529,25.375)
  Bottom Layer w0.125: v1@8.527,25.377 8.527,26.63 9.781,27.884 14.178,27.884 16.132,29.838 v1(16.132,42.343)
NetJ3_B5: J3.B5 U10.24 | length 29.7
  Top Layer w0.125: v1(16.679,41.886) 16.679,43.523 17.252,44.096 U10.24@17.992,44.096
  Top Layer w0.15: J3.B5@7.464,22.375 J3.B5@7.489,22.375 v1(8.529,22.375)
  Bottom Layer w0.125: v1(8.529,22.375) 9.029,22.875 9.029,26.524 9.952,27.447 14.344,27.447 16.679,29.783 v1(16.679,41.886)
NetL2_1: L2.1 U1.31 | length 0.9
  Top Layer w0.2: U1.31@101.664,35.73 L2.1@102.521,35.73 ; L2.1@102.521,35.73 L2.1@102.522,35.729
NetL8_2: L8.2 U10.3 | length 4.2
  Top Layer w0.3: U10.3@22.892,45.096 23.492,45.096 24.292,44.296 L8.2@26.749,44.296
NetL9_2: L9.2 U10.5 | length 3.8
  Top Layer w0.3: U10.5@22.892,46.096 23.167,46.096 23.537,46.096 24.337,46.896 26.332,46.896 L9.2@26.357,46.871
NetLD1_1: LD1.1 Q1.6 | length 11.5
  Top Layer w0.125: LD1.1@30.865,9.716 v1(30.865,10.588)
  Top Layer w0.15: LD1.1@30.802,9.652 LD1.1@30.865,9.716 ; v1(31.165,19.75) Q1.6@31.165,20.615
  Bottom Layer w0.125: v1(30.865,10.588) 31.627,11.35 31.627,19.287 v1(31.165,19.75)
NetLD1_2: LD1.2 R5.1 | length 0.9
  Top Layer w0.125: R5.1@28.579,9.937 29.12,9.937 LD1.2@29.405,9.652
NetLD2_1: LD2.1 Q2.6 | length 53.7
  Top Layer w0.125: v1(80.106,38.04) 80.11,38.044 v1(85.582,38.044) ; v1(80.634,24.308) Q2.6@80.634,24.985
  Top Layer w0.15: v1(98.955,58.278) 98.955,59.127 LD2.1@99.01,59.182
  Bottom Layer w0.125: v1(80.106,38.04) 80.106,37.375 83.105,34.376 83.105,28.108 80.634,25.637 v1(80.634,24.308) ; v1(85.582,38.044) 85.582,53.231 90.629,58.278 v1(98.955,58.278)
NetLD2_2: LD2.2 R19.1 | length 1.2
  Top Layer w0.15: LD2.2@100.407,59.182 100.692,59.467 R19.1@101.487,59.467